# Altium PCB PCB.PcbDoc
Units mil, origin at the board's own origin, x right, y up, seen from the top; angles counter-clockwise.
Board outline 860 x 1035 mil, 4 copper layers (Top Layer, Layer 1, Layer 2, Bottom Layer), stack 23.756 mil thick; 20 components, 23 nets, 86 pads, 34 vias.
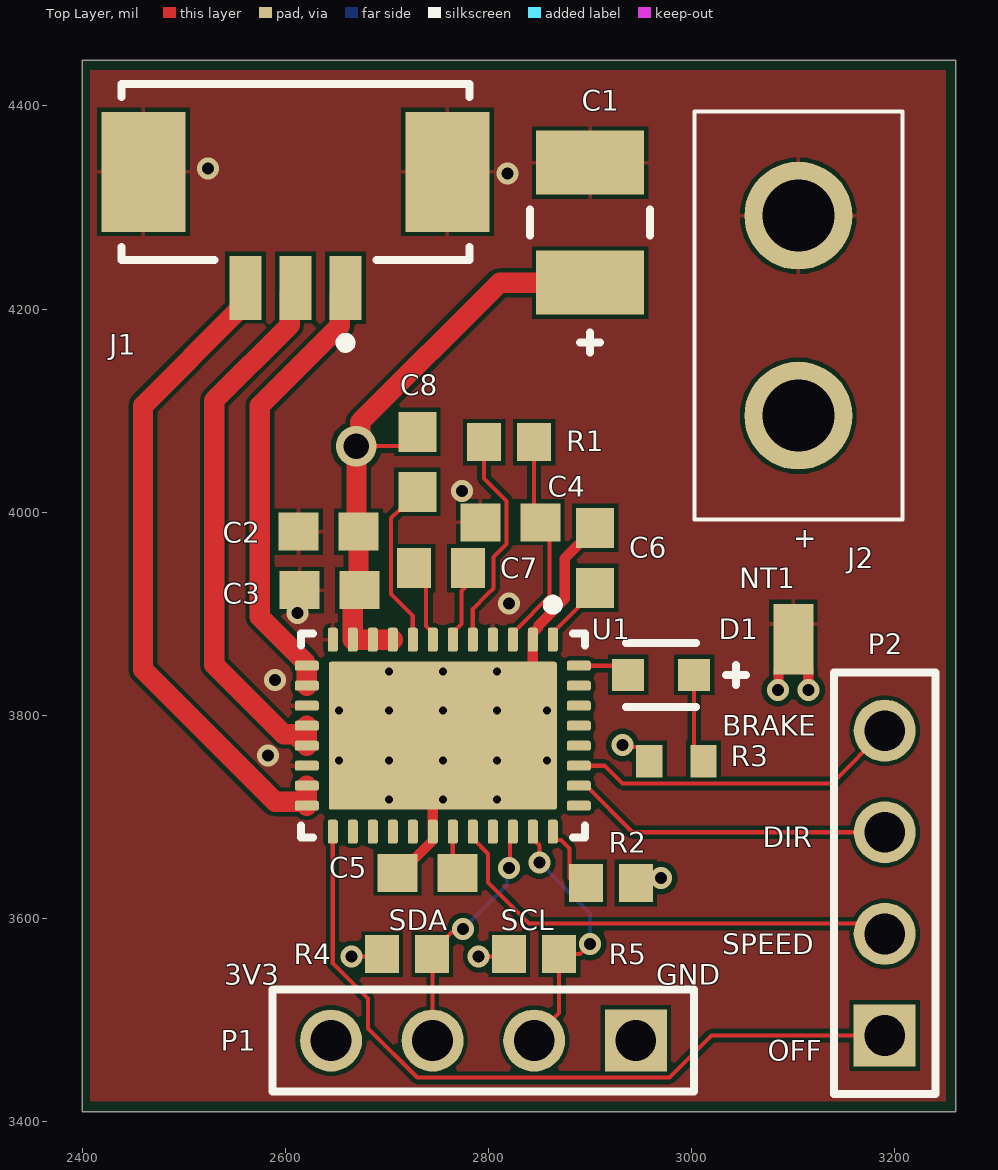
[diagram p0: Top Layer view]
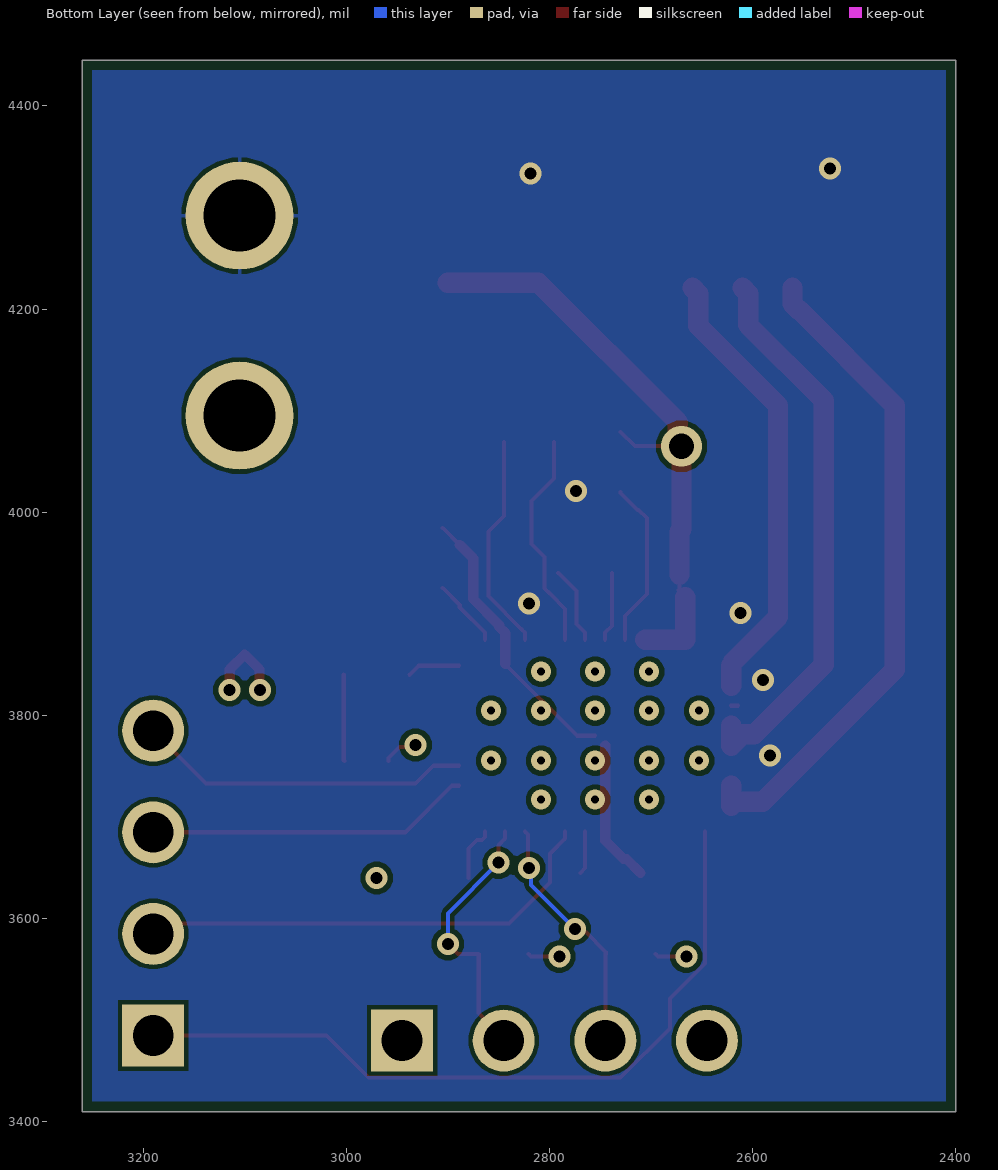
[diagram p1: Bottom Layer view, seen from below]
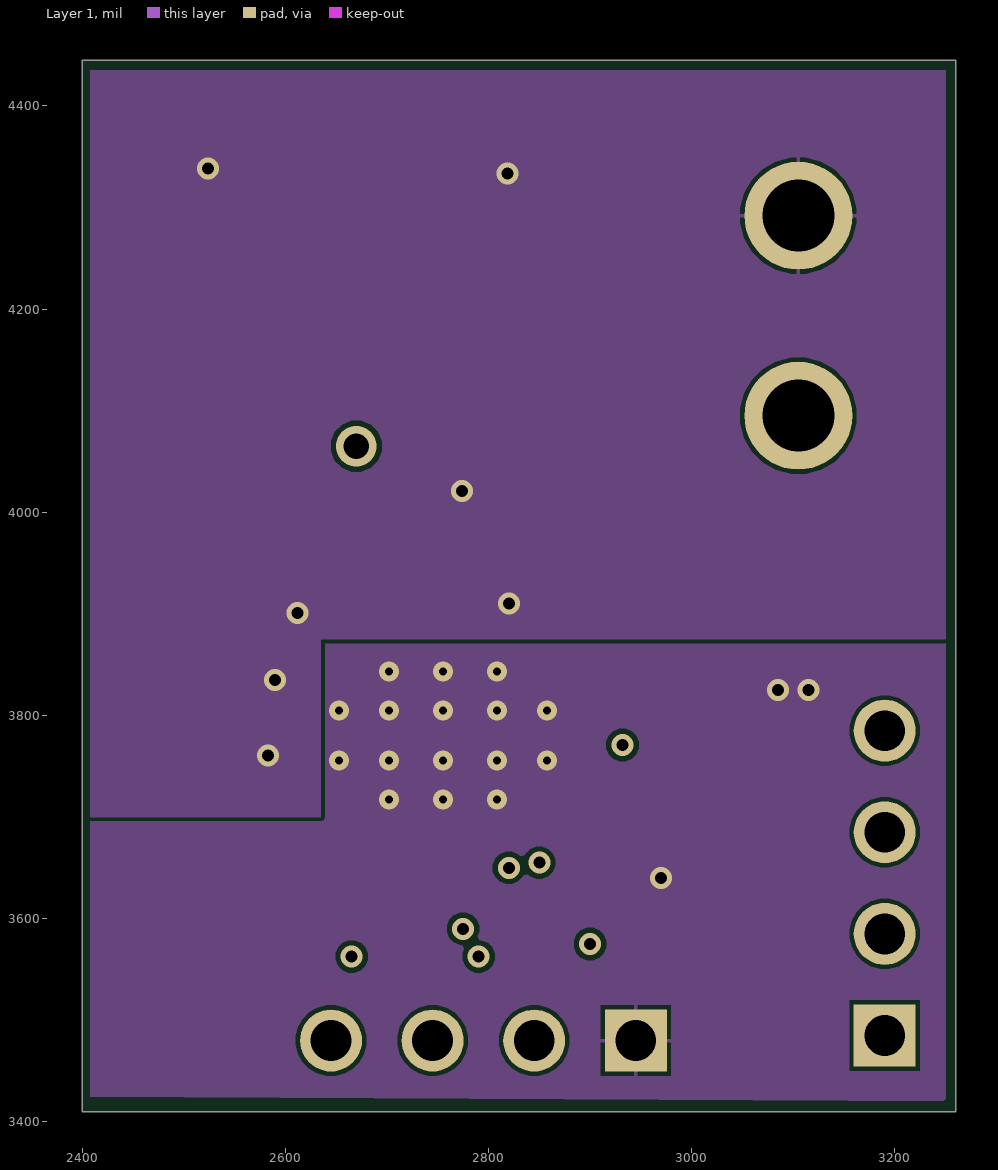
[diagram p2: Layer 1]
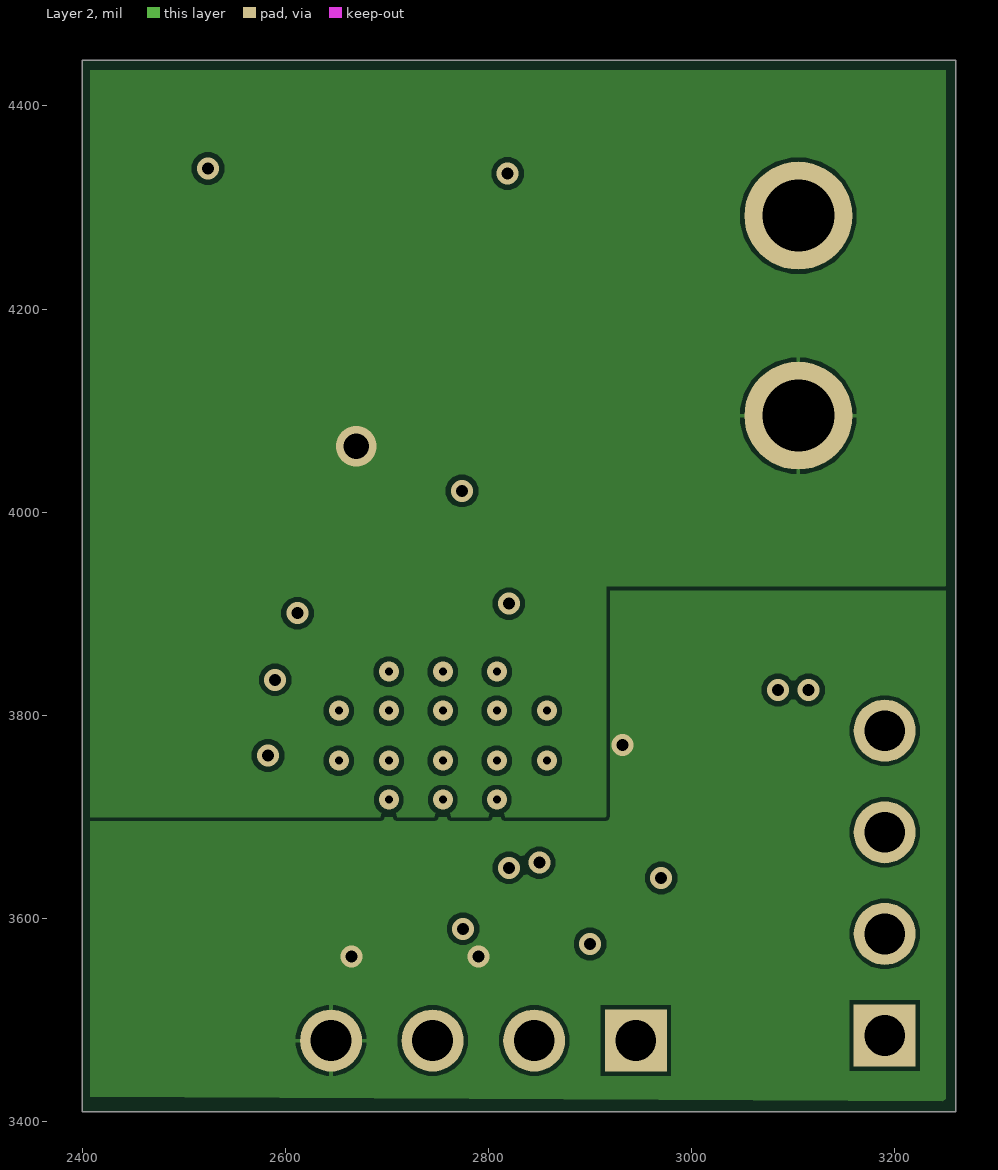
[diagram p3: Layer 2]
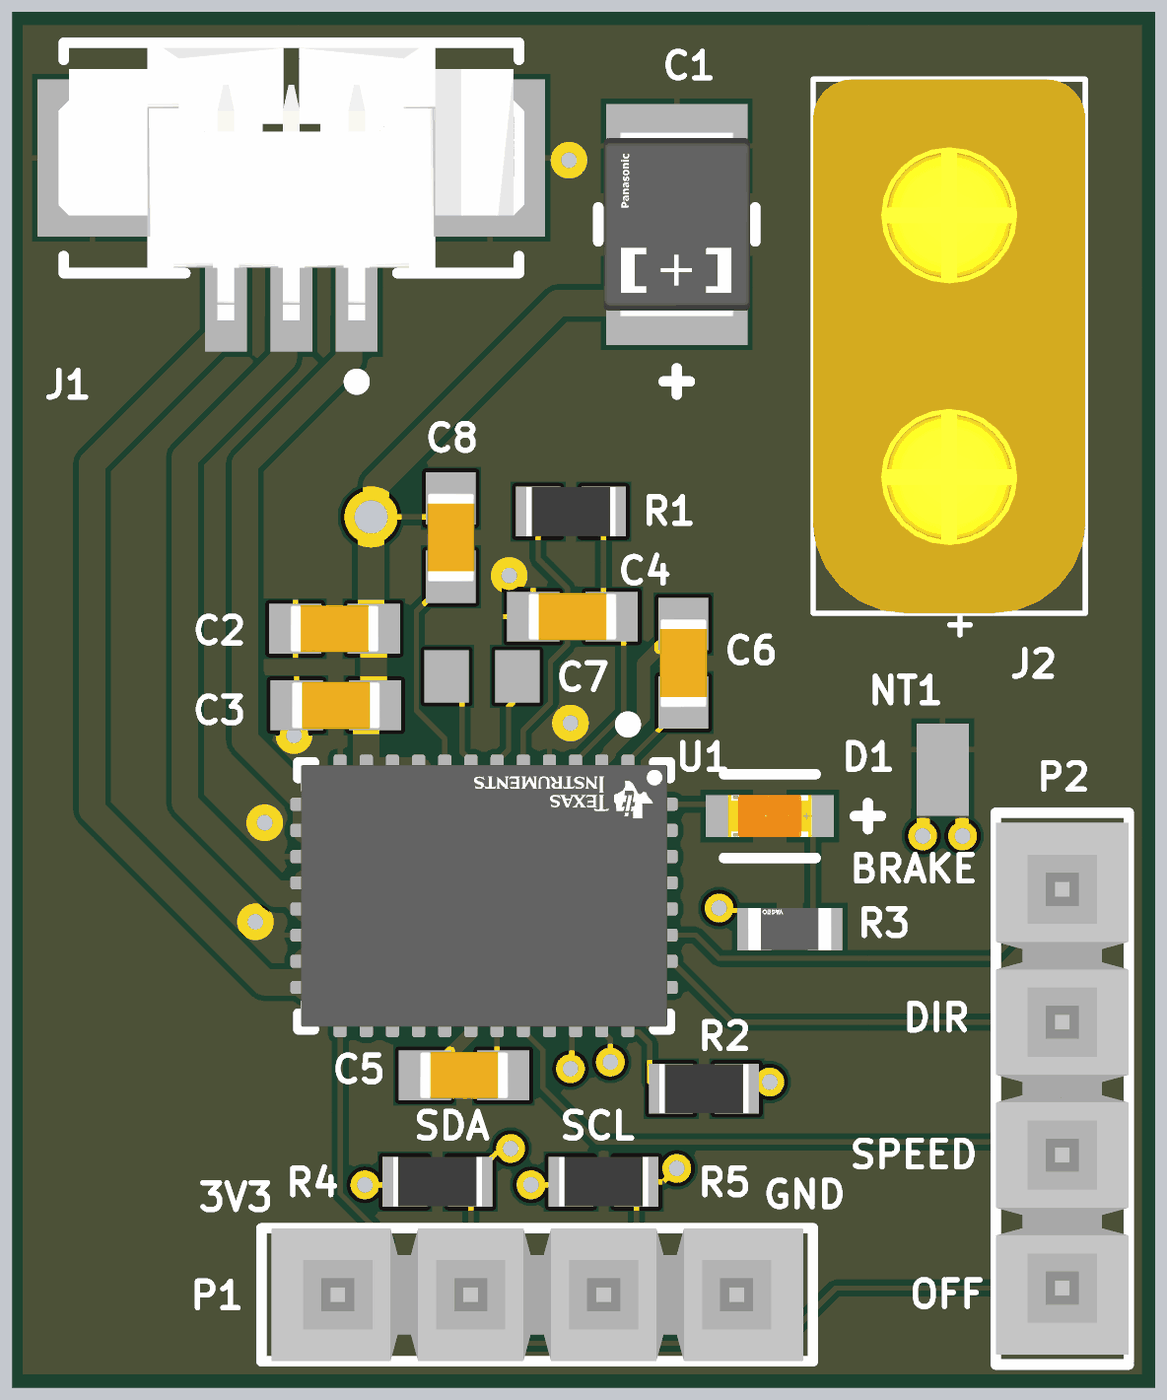
[diagram p4: 3D render of the assembled board from above, using the file's embedded part models]

## Layer stack, top to bottom
Top Solder: solder mask 0.4, Solder Resist, Dk 3.5
Top Layer: signal copper 1.4
Dielectric 2: prepreg 2.8, PP-006, Dk 4.1
Layer 1: signal copper 1.378
Dielectric 1: dielectric 12.6, FR-4, Dk 4.8
Layer 2: signal copper 1.378
Dielectric 3: prepreg 2.8, PP-006, Dk 4.1
Bottom Layer: signal copper 1.4
Bottom Solder: solder mask 0.4, Solder Resist, Dk 3.5

## Board outline
2400,3410 3260,3410 3260,4445 2400,4445

## Design rules (kind name [scope] priority, off if disabled: settings)
BoardOutlineClearance [All] p1: gap=7.87 ignorepadtopadclearanceinfootprint=FALSE
Clearance [All] p1: gap=4 ignorepadtopadclearanceinfootprint=FALSE except(5: Arc-Via Track-Via SMDPad-Via THPad-Via Via-Via Via-Fill Via-Poly Via-Region Via-Text; 9.84: Arc-Hole Track-Hole SMDPad-Hole THPad-Hole Via-Hole Fill-Hole Poly-Hole Region-Hole Text-Hole)
ComponentClearance [All] p1: gap=4 collisioncheckmode=3 verticalgap=4 showdistances=TRUE
DiffPairsRouting [All] p1: maxlimit=4 minlimit=4 mostfreqgap=4 toplayer_minwidth=4 toplayer_maxwidth=71497.94 toplayer_prefwidth=4 midlayer1_minwidth=4 midlayer1_maxwidth=71497.94 midlayer1_prefwidth=4 midlayer2_minwidth=4 midlayer2_maxwidth=71497.94 midlayer2_prefwidth=4 bottomlayer_minwidth=4 bottomlayer_maxwidth=71497.94 bottomlayer_prefwidth=4 maxuncoupledlength=500
Height [All] p1: minheight=0 maxheight=71497.94 prefheight=500
HoleSize [All] p1: absolutevalues=TRUE maxlimit=248.03 minlimit=7.87 maxpercent=80.000 minpercent=20.000
HoleToHoleClearance [All] p1: gap=9.84 allowstackedmicrovias=FALSE
MinimumAnnularRing [All] p1: minimumring=3
MinimumSolderMaskSliver [All] p1: minsoldermaskwidth=0
PlaneClearance [All] p1: clearance=4
PlaneConnect PlaneConnectPowerPads [InPadClass('PowerPads')] p1: planeconnectstyle=Direct reliefexpansion=20 reliefentries=4 reliefconductorwidth=10 reliefairgap=10
PlaneConnect [All] p2: pad.planeconnectstyle=Relief pad.reliefexpansion=11.81 pad.reliefentries=4 pad.reliefconductorwidth=4 pad.reliefairgap=4 via.planeconnectstyle=Direct via.reliefexpansion=11.81 via.reliefentries=4 via.reliefconductorwidth=5 via.reliefairgap=5
PolygonConnect PolygonConnectPowerPads [All vs (InPadClass('PowerPads'))] p1: connectstyle=Direct reliefconductorwidth=10 reliefentries=4 polygonreliefangle="90 Angle" airgapwidth=10
PolygonConnect [All] p2: thpad.connectstyle=Relief thpad.reliefconductorwidth=4 thpad.reliefentries=4 thpad.polygonreliefangle="90 Angle" thpad.airgapwidth=4 smdpad.connectstyle=Relief smdpad.reliefconductorwidth=4 smdpad.reliefentries=4 smdpad.polygonreliefangle="90 Angle" smdpad.airgapwidth=4 via.connectstyle=Direct via.reliefconductorwidth=5 via.reliefentries=4 via.polygonreliefangle="90 Angle" via.airgapwidth=5
RoutingVias [All] p1: holewidth=7.87 width=17.72 viastyle="Through Hole" minholewidth=7.87 minwidth=17.72 maxholewidth=248.03 maxwidth=257.87
SilkToSilkClearance [All] p1: silktosilkclearance=0
SilkToSolderMaskClearance [IsPad] p1: minsilkscreentomaskgap=4 clearancetoexposedcopper=TRUE
SolderMaskExpansion [All] p1: expansion=2.95 istentingtop=FALSE
SupplyNets "Schematic Supply Nets_3" [InNet('+3V3')] p1: voltage=0.000
SupplyNets "Schematic Supply Nets_2" [InNet('PGND')] p2: voltage=0.000
SupplyNets "Schematic Supply Nets_1" [InNet('GND')] p3: voltage=0.000
SupplyNets "Schematic Supply Nets" [InNet('+VBAT')] p4: voltage=0.000
Width [All] p1: maxlimit=71497.94 minlimit=4 preferedwidth=4
20 further rules are at their usual default settings.

## Classes and differential pairs
component class MotorDriver: C1 C2 C3 C4 C5 C6 C7 C8 D1 J1 R1 R2 R3 U1
component class Connectors: J2 NT1 P1 P2 R4 R5

## Components (designator, comment, footprint, x,y, rotation, side; value= is the part's Value field where it differs from the comment)
C1 "47uF" FP-POSCAP-B2-MFG 2900,4285 r270 top
C2 "10uF" CAPC1608X09N 2642.51,3980.95 r0 top value=10µF
C3 "100nF" CAPC1608X09N 2643.56,3923.3 r0 top
C4 "22uF" CAPC1608X09N 2821.56,3989.96 r0 top value=22µF
C5 "1uF" CAPC1608X09N 2740,3645 r0 top value=1µF
C6 "1uF" CAPC1608X09N 2905,3955 r270 top value=1µF
C7 "47nF" CAPC1608X92X38NL15T08 2753.43,3945 r180 top
C8 "1uF" CAPC1608X09N 2730,4049.53 r270 top value=1µF
D1 "RED LED" FP-APTD1608SEC-J3-MFG 2970,3840 r0 top
J1 "53261-0371" FP-53261-0371-MFG 2610,4335 r180 top
J2 "XT30PB" XT30PB 3105,4291.85 r0 top
NT1 "Net-Tie-SMD" NetTieSMD-FP 3100,3875 r270 top net-tie
P1 "MTSW-104-07-F-S-170" SMTC-MTSW-104-07-X-S-170 2945,3480 r180 top
P2 "MTSW-104-07-F-S-170" SMTC-MTSW-104-07-X-S-170 3190,3485 r90 top
R1 "22" RESC1608X06N 2820.28,4069.04 r0 top value=22.6R
R2 "10k" RESC1608X06N 2920.39,3635 r180 top value=10.0K
R3 "RES 1.5k" FP-AC0603-IPC_C 2985,3755 r180 top value=1.5kΩ
R4 "10k" RESC1608X06N 2720,3565 r180 top value=10.0K
R5 "10k" RESC1608X06N 2845,3565 r180 top value=10.0K
U1 "MCT8316A1VRGFR" FP-RGF0040E-MFG 2755,3780 r270 top

## Footprints (in the part's own frame and the unit in brackets; to place one, negate y for a bottom-side part, rotate by r counter-clockwise, add the part's x,y. Pads: shape width x height; smd on the part's side, far side on the other; paste and mask are expansions set on the pad)
CAPC1608X09N [mm] "Chip Capacitor, 2-Leads, Body 1.60x0.80mm, IPC Medium Density"
  rect 1x0.95 smd: 1(-0.75,0) 2(0.75,0)
  body extent -0.85,-0.45 0.85,0.45, height 0.9
CAPC1608X92X38NL15T08 [mm] "Chip Capacitor, 2-Leads, Body 1.60x0.80mm, IPC Medium Density"
  rect 0.85x1 smd: 1(-0.675,0) 2(0.675,0)
  body extent -0.87,-0.48 0.87,0.47, height 0.92
FP-53261-0371-MFG [mm]
  rect 0.8x1.6 smd paste+0 mask+0: 1(-1.25,2.9) 2(0,2.9) 3(1.25,2.9)
  rect 2.1x3 smd paste+0 mask+0: 4(-3.8,0) 5(3.8,0)
  silkscreen extent -4.35,-2.2 4.35,4.4, body extent -4.95,-2.3 4.95,3.8, height 0.25
FP-AC0603-IPC_C [mil]
  rect 25.93x31.97 smd paste+0 mask+0: 1(-26.64,0) 2(26.64,0)
  body extent -44,-22 44,22, height 10
FP-APTD1608SEC-J3-MFG [mm]
  rect 0.8x0.8 smd paste+0 mask+0: 1(-0.825,0) 2(0.825,0)
  silkscreen extent -0.87,-0.8 2.12,0.8, body extent -1.33,-0.58 1.33,0.58, height 0.25
FP-POSCAP-B2-MFG [mm]
  rect 1.6x2.7 smd paste+0 mask+0: 1(-1.5,0) 2(1.5,0)
  silkscreen extent -0.33,-1.5 3.25,1.5, body extent -2.4,-1.6 2.4,1.6, height 0.25
FP-RGF0040E-MFG [mm]
  rrect40% 0.6x0.25 smd paste+0 mask+0: 1(-2.4,2.75) 2(-2.4,2.25) 3(-2.4,1.75) 4(-2.4,1.25) 5(-2.4,0.75) 6(-2.4,0.25) 7(-2.4,-0.25) 8(-2.4,-0.75) 9(-2.4,-1.25) 10(-2.4,-1.75) 11(-2.4,-2.25) 12(-2.4,-2.75) 21(2.4,-2.75) 22(2.4,-2.25) 23(2.4,-1.75) 24(2.4,-1.25) 25(2.4,-0.75) 26(2.4,-0.25) 27(2.4,0.25) 28(2.4,0.75) 29(2.4,1.25) 30(2.4,1.75) 31(2.4,2.25) 32(2.4,2.75)
  rrect40% 0.25x0.6 smd paste+0 mask+0: 13(-1.75,-3.4) 14(-1.25,-3.4) 15(-0.75,-3.4) 16(-0.25,-3.4) 17(0.25,-3.4) 18(0.75,-3.4) 19(1.25,-3.4) 20(1.75,-3.4) 33(1.75,3.4) 34(1.25,3.4) 35(0.75,3.4) 36(0.25,3.4) 37(-0.25,3.4) 38(-0.75,3.4) 39(-1.25,3.4) 40(-1.75,3.4)
  rrect3% 3.7x5.7 smd paste-1000 mask+0: 41(0,0)
  silkscreen extent -3.4,-3.55 2.55,3.55, body extent -2.8,-3.8 2.8,3.8, height 0.25
NetTieSMD-FP [mm]
  rect 1x1 smd mask-10: 1(-0.381,0) 2(0.381,0)
RESC1608X06N [mm] "Chip Resistor, 2-Leads, Body 1.55x0.79mm, IPC Medium Density"
  rect 0.85x0.95 smd: 1(-0.625,0) 2(0.625,0)
  body extent -0.85,-0.47 0.85,0.47, height 0.61
SMTC-MTSW-104-07-X-S-170 [mm] "Assembly .025\" [.64] SQ Post Terminal Strip, 1x4 Pins, Vertical, 2.54mm Pitch, Male"
  rect 1.55x1.55 hole 1.02: 1(0,0)
  round 1.55 hole 1.02: 2(2.54,0) 3(5.08,0) 4(7.62,0)
  silkscreen extent -1.46,-1.27 9.08,1.27, body extent -1.27,-1.27 8.89,1.27, height 6.86
XT30PB [mm]
  round 2.7 hole 1.8: 1(0,0) 2(0,-5)
  silkscreen extent -2.6,-7.6 2.6,2.6, body extent -2.6,-7.6 2.6,2.6, height 10.66

## Part data
C1: library part CMP-05428-000207-1, "Molded Tantalum Polymer Capacitor 47uF 20% 16V life 2000Hours SMD 1411", RoHS Compliant=Yes
C2: library part CMP-003-000087-1, "CAP CER 10uF 16V X5R Symbols/Capacitor-Generic.SchLib", Manufacturer 1=Murata, Manufacturer Part Number 1=GRM188R61C106MA73#, Part Number=CAP-0603-000085, Temperature Characteristic=X5R, Tolerance=20%, Voltage=16V, Symbol Path=Symbols/Capacitor-Generic.SchLib
C3: library part CMP-003-000120-1, "CAP CER 0.1uF 100V X7R Symbols/Capacitor-Generic.SchLib", Manufacturer 1=Murata, Manufacturer Part Number 1=GRM188R72A104MA35#, Part Number=CAP-0603-000118, Temperature Characteristic=X7R, Tolerance=20%, Voltage=100V, Symbol Path=Symbols/Capacitor-Generic.SchLib
C4: library part CMP-003-000089-1, "CAP CER 22uF 16V X5R Symbols/Capacitor-Generic.SchLib", Manufacturer 1=Murata, Manufacturer Part Number 1=GRM188R61C226ME01#, Part Number=CAP-0603-000087, Temperature Characteristic=X5R, Tolerance=20%, Voltage=16V, Symbol Path=Symbols/Capacitor-Generic.SchLib
C5 C6 C8: library part CMP-003-000086-1, "CAP CER 1uF 16V X5R Symbols/Capacitor-Generic.SchLib", Manufacturer 1=Murata, Manufacturer Part Number 1=GRM188R61C105MA12#, Part Number=CAP-0603-000084, Temperature Characteristic=X5R, Tolerance=20%, Voltage=16V, Symbol Path=Symbols/Capacitor-Generic.SchLib
C7: library part CMP-2006-01132-1, Manufacturer=Vitramon, Part Number=VJ0603Y473KXAAC
D1: library part CMP-44529-000051-1, "LED RED CLEAR CHIP SMD", Case Code (Imperial)=0603, Case Code (Metric)=1608, Color=Red, Forward Current=20mA, Forward Voltage=2.2V, Lens Color=Colorless, Max Operating Temperature=85°C, Min Operating Temperature=-40°C, Package Quantity=2000, Case/Package=0603, Dominant Wavelength=625nm, Height=0.95mm, Illumination Color=Red, Lead Free="Lead Free", Length=1.6mm, Lens Style=Clear, Lens Transparency=Clear, Luminous Intensity=900mcd, Mount="Surface Mount", Number of LEDs=1, Number of Pins=4, Packaging="Tape and Reel", Test Current=20mA, Viewing Angle=60°, Width=0.8mm
J1: library part CMP-04776-000071-1, "CONN HEADER SMD R/A 3POS 1.25MM", Ambient Temperature Range High=+105°C, Ambient Temperature Range Low=-40°C, Current Rating=1A, Manufacturer=Molex, Package=0, Temperature="-40°C to +105°C", Voltage Rating=125V, Automotive=No, Category=Conn, ComponentLink2Description=Datasheet, ComponentLink2URL=https://www.molex.com/webdocs/datasheets/pdf/en-us/0532610371_PCB_HEADERS.pdf, Conn Gender=Male, Conn Orientation="Right Angle", Contact Material=Tin,Nickel, Device Class L1=Connectors, Device Class L2="Headers and Wire Housings", Device Class L3=unset, Digikey Description="CONN HEADER SMD R/A 3POS 1.25MM", Footprint Url=https://www.molex.com/pdm_docs/sd/532610371_sd.pdf, Height=3.6mm, Lead Free=Yes, Manufacturer Part Number=53261-0371, Mouser Description="1.25mm (.049\") Pitch PicoBlade Header, Surface Mount, Right Angle, Lead-free, 3 Circuits", Number of Contacts=3, Number of Rows=1, Octopart=https://octopart.com/53261-0371-molex-655314, Pitch=1.25mm, RoHS=TRUE, Temperature Range High=+105°C, Temperature Range Low=-40°C
J2: "Connector", Manufacturer_Name=Amass, Datasheet Link=https://www.tme.eu/Document/4acc913878197f8c2e30d4b8cdc47230/XT30UPB%20SPEC.pdf, Height=10.7mm, Manufacturer_Part_Number=XT30PB
P1 P2: library part CMP-1024-00106-1, "Modified .025\" SQ Post Header, Through-hole, Vertical, -55 to 125 degC, 2.54 mm Pitch, 4-Pin, Male, RoHS", Manufacturer=Samtec, Temperature Range="-55 to 125 degC", ComponentLink1Description="Manufacturer URL", ComponentLink1URL=http://www.samtec.com, ComponentLink2Description=Datasheet, ComponentLink2URL=http://www.samtec.com/documents/webfiles/pdf/MTSW.PDF, ComponentLink3Description="Package Specification", ComponentLink3URL=http://www.samtec.com/documents/webfiles/cpdf/MTSW-XXX-XX-X-X-XXXX-XX-XXX-MKT1.pdf, DatasheetVersion=F-214, Mounting Technology=Through-hole, Orientation=Vertical, PackageDescription="Assembly .025\" [.64] SQ Post Terminal Strip", PackageReference=MTSW-104-07-X-S-170, PackageVersion="BI, 2/1987", PartNumber=MTSW-104-07-F-S-170, Pitch="2.54 mm", RoHS=True
R1: library part CMP-007-000132-1, "RES 22.6 OHM 1% 1/10W 0603", Manufacturer 1=Yageo, Manufacturer 2="Stackpole Electronics", Manufacturer 3="Vishay Dale", Manufacturer Part Number 1=RC0603FR-0722R6L, Manufacturer Part Number 2=RMCF0603FT22R6, Manufacturer Part Number 3=CRCW060322R6FKED, Part Number=RES-0603-22R6-001, Tolerance=0.01%, Symbol Path=Symbols/Resistor_Generic.SchLib
R2 R4 R5: library part CMP-007-000386-1, "RES 10.0K OHM 1% 1/10W 0603", Manufacturer 1=Yageo, Manufacturer 2="Stackpole Electronics", Manufacturer 3="Vishay Dale", Manufacturer Part Number 1=RC0603FR-0710KL, Manufacturer Part Number 2=RMCF0603FT10K0, Manufacturer Part Number 3=CRCW060310K0FKED, Part Number=RES-0603-10K0-001, Tolerance=0.01%, Symbol Path=Symbols/Resistor_Generic.SchLib
R3: library part CMP-00007-2, "Res Thick Film 0603 1.5K Ohm 5% 0.1W(1/10W) ±100ppm/C Pad SMD T/R Automotive AEC-Q200", Case Code (Imperial)=0603, Case Code (Metric)=1608, Max Operating Temperature=155°C, Max Power Dissipation=100mW, Min Operating Temperature=-55°C, Temperature Coefficient=100ppm/°C, Tolerance=5%, Voltage Rating=75V, Case/Package=0603, China RoHS=Non-Compliant, Composition="Thick Film", Features="Automotive AEC-Q200, Moisture Resistant", Height=450µm, Length=1.6002mm, Lifecycle Status=Production, Mounting Technology="Surface Mount", Number of Terminals=2, Number of Terminations=2, Packaging="Tape & Reel", Power Dissipation=100mW, Power Rating=100mW, REACH SVHC=Yes, RoHS=Compliant, Schedule B="8533210045, 8533210045", Termination=SMD/SMT, Width=800µm, Working Voltage=75V
U1: library part CMP-00370-125245362-1, "MCT8316A1VRGFR 40-V max, 8-A peak, sensorless trapezoidal control 3-phase BLDC motor driver 40-VQFN -40 to 125", Ambient Temperature Range High=125°C, Case/Package=VQFN, Manufacturer Lifecycle Status=ACTIVE, Max Junction Temperature (Tj)=150°C, Max Supply Voltage=35V, Min Operating Temperature=-40°C, Min Supply Voltage=4.5V, Output Current=8A, Height=1mm, Length=7mm, Lifecycle Status=Production, Max Operating Temperature=125°C, NexarPartId=125245362, Number of Outputs=3, Number of Pins=40, Thickness=880µm, Width=5mm

## Via types
v1: diameter 21.65, hole 11.81, Top Layer to Bottom Layer, 17 vias
v2: diameter 19.68, hole 7.87, Top Layer to Bottom Layer, 16 vias
v3: diameter 40, hole 25, Top Layer to Bottom Layer, 1 vias

## Nets (pads, with @x,y where several pads share a name; then routed paths per layer and width w, separated by ;. In a path a pad name is that pad's centre, name@x,y a point inside that pad or via, vN(x,y) a via of type N, cw(c..) or ccw(c..) an arc to the next point about the centre after c; other vN are vias at no path point)
+3V3: P1.4 R3.2 R4.2 R5.2 | length 96.9
  Top Layer w4: v1(2665.34,3562.62) 2693.02,3562.62 R4.2 ; v1(2790.34,3562.62) 2818.02,3562.62 R5.2 ; v1(2931.85,3770.83) 2933.69,3768.99 2947.39,3768.99 2958.36,3758.02 R3.2
+VBAT: C1.2 C2.2 C3.2 C8.1 J2.2 U1.9 U1.10 U1.11 | length 608.1
  Top Layer w4: C3.2@2666.42,3916.63 C3.2 2672.03,3924.36 C3.2@2672.03,3938.5 ; C2.2@2670,3982.98 C2.2 ; v3(2670,4065) 2715.94,4065 C8.1
  Top Layer w20: C3.2@2666.42,3916.63 U1.11 U1.9 ; C2.2@2670,3982.98 v3(2670,4065) 2673.83,4068.83 2673.83,4088.83 2810.94,4225.94 C1.2 ; C3.2@2672.03,3938.5 C2.2
GND: C5.1 C6.1 NT1.2 P1.1 R2.1 U1.2 U1.26 U1.41 | length 500.7
  Top Layer w4: U1.41 2772.76,3780 U1.41@2843.58,3850.82 ; C6.1@2888.3,3967.83 C6.1
  Top Layer w10: C5.1 2724.17,3658.7 2726.97,3658.7 2745.16,3676.89 U1.41@2745.16,3770.16 ; U1.41@2843.58,3850.82 2843.58,3881.22 2849.35,3886.98 2849.35,3888.87 2875,3914.53 2875,3954.53 C6.1@2888.3,3967.83 ; v1(3085,3825) 3085.31,3825.31 3085.31,3845.31 NT1.2 3114.69,3845.31 3114.69,3825.31 v1(3115,3825)
  other v1: 2970,3640
  other v2: 2701.85,3717.01 2755,3717.01 2808.15,3717.01 2652.64,3755.39 2701.85,3755.39 2755,3755.39 2808.15,3755.39 2857.36,3755.39 2652.64,3804.61 2701.85,3804.61 2755,3804.61 2808.15,3804.61 2857.36,3804.61 2701.85,3842.99 2755,3842.99 2808.15,3842.99
NetC4_2: C4.2 R1.2 U1.3 | length 215.8
  Top Layer w4: U1.3 2823.9,3881.38 2826.82,3884.3 2826.91,3884.3 2860,3917.39 2860,3981.04 2844.88,3996.16 R1.2
NetC5_2: C5.2 U1.27 | length 42.5
  Top Layer w4: U1.27 2764.84,3649.68 C5.2
NetC6_2: C6.2 U1.1 | length 68.3
  Top Layer w4: U1.1 2863.27,3881.38 2888.3,3906.41 2888.3,3908.77 C6.2
NetC7_1: C7.1 U1.6 | length 76.9
  Top Layer w4: U1.6 2764.84,3881.38 2773.42,3889.96 2773.42,3922.31 2791.11,3940 C7.1@2791.57,3940
NetC7_2: C7.2 U1.7 | length 68.3
  Top Layer w4: C7.2@2738.43,3940 2738.43,3888.11 2745.16,3881.38 U1.7
NetC8_2: C8.2 U1.8 | length 165.7
  Top Layer w4: U1.8 2725.47,3898.05 2704.12,3919.4 2704.12,3994.12 2712.31,4002.31 2713.3,4002.31 2730,4019.02 C8.2
NetD1_1: D1.1 U1.40 | length 52.3
  Top Layer w4: U1.40 2928.62,3848.9 D1.1
NetD1_2: D1.2 R3.1 | length 85.3
  Top Layer w4: R3.1@3001.64,3755 3002.48,3755.84 D1.2
NetJ1_1: J1.1 U1.13 U1.14 | length 443
  Top Layer w4: U1.13 U1.13@2621.14,3850.87
  Top Layer w20: U1.13@2619.33,3852.68 2575,3897.01 2575,4105 2653.46,4183.46 2653.46,4215.08 J1.1 ; U1.14 U1.13
NetJ1_2: J1.2 U1.16 U1.17 | length 547.9
  Top Layer w20: J1.2 2604.25,4215.08 2604.25,4184.25 2530,4110 2530,3850 2598.54,3781.46 2609.84,3781.46 U1.17 U1.16
NetJ1_3: J1.3 U1.19 U1.20 | length 678.4
  Top Layer w4: J1.3@2553.19,4205 2553.19,4213.23 J1.3 ; 2621.14,3716.14 U1.19
  Top Layer w20: J1.3 2560.79,4205.08 2555.04,4199.33 2554.33,4199.33 2460,4105 2460,3845 2590,3715 U1.20@2613.3,3715 ; U1.20 U1.19
NetP1_2: P1.2 R5.1 U1.31 | length 263.6
  Top Layer w4: U1.31 2843.58,3678.62 2850,3672.2 v1(2850,3655) ; P1.2 2845,3482.42 2869.61,3507.03 R5.1 2890,3565 v1(2900,3575)
  Bottom Layer w4: v1(2850,3655) 2900,3605 v1(2900,3575)
NetP1_3: P1.3 R4.1 U1.30 | length 242.8
  Top Layer w4: P1.3 2745,3564.61 R4.1 2744.61,3566.97 2764.26,3586.62 2771.62,3586.62 v1(2775,3590) ; v1(2820,3650) 2820.98,3650.98 2820.98,3682.59 U1.30
  Bottom Layer w4: v1(2775,3590) 2818.17,3633.17 2818.17,3648.17 v1(2820,3650)
NetP2_1: P2.1 U1.21 | length 753.8
  Top Layer w4: U1.21 2646.73,3556.02 2681.51,3521.24 2681.51,3491.85 2729.88,3443.49 2978,3443.49 3019.51,3485 P2.1
NetP2_2: P2.2 U1.28 | length 467.6
  Top Layer w4: U1.28 2784.53,3678.62 2799.31,3663.84 2799.31,3635.69 2840,3595 3180,3595 P2.2
NetP2_3: P2.3 U1.34 | length 320.1
  Top Layer w4: U1.34 2895.75,3730.79 2941.54,3685 P2.3
NetP2_4: P2.4 U1.35 | length 329.9
  Top Layer w4: U1.35 2914.32,3750.47 2931.78,3733.01 3138.01,3733.01 P2.4
NetR1_1: R1.1 U1.5 | length 217.5
  Top Layer w4: U1.5 2784.53,3904.74 2799.1,3919.31 2799.22,3919.31 2805,3925.1 2805,3956.06 2817.71,3968.77 2817.71,4011.14 2795.67,4033.19 R1.1
NetR2_2: R2.2 U1.32 | length 55.3
  Top Layer w4: U1.32 2863.27,3680.4 2866.19,3677.48 2871.3,3677.48 2879.61,3669.17 R2.2@2879.61,3640
PGND: C1.1 C2.1 C3.1 C4.1 J1.4 J1.5 J2.1 NT1.1 U1.4 U1.12 U1.15 U1.18 | length 6.9
  Top Layer w4: U1.15@2614.25,3809.53 U1.15
  other v1: 2583,3760.47 2590,3835 2612.03,3900.6 2820,3910 2773.92,4020.96 2818.89,4333.3 2523.89,4338.3
pads on no net: U1.22 U1.23 U1.24 U1.25 U1.29 U1.33 U1.36 U1.37 U1.38 U1.39

## Polygon pours and split planes (outlines as drawn)
+3V3 on Layer 2 "+3V3_L03_P002" (solid, pour order 2): 3249.76,3927.26 2915.72,3927.26 2915.72,3700.72 2915,3700 2345,3700 2345,3420 2350,3425 3250,3420 3250,3927.02
+VBAT on Layer 2 "+VBAT_L03_P001" (solid, pour order 1): 2915,3700 2345,3700 2345,4435 3250,4435 3250,3927.5 3249.76,3927.26 2915.72,3927.26 2915.72,3700.72
GND on Layer 1 "GND_L02_P004" (solid, pour order 4): 3250,3875 2635,3875 2635,3700 2345,3700 2345,3420 2350,3425 3250,3420
PGND on Layer 1 "PGND_L02_P003" (solid, pour order 3): 2635,3700 2345,3700 2345,4435 3250,4435 3250,3875 2635,3875
PGND on Top Layer "PGND_L01_P000" (solid, pour order 0): 2345,3420 3250,3420 3250,4435 2345,4435
PGND on Bottom Layer "PGND_L04_P005" (solid, pour order 5): 2410,3420 3250,3420 3250,4435 2410,4435

## Silkscreen, mask and mechanical layers (free items; w line width, h text height)
Top Overlay:
  text "+" at 3100,3965 h20
  text "BRAKE" at 3030,3780 h20
  text "DIR" at 3070,3670 h20
  text "SDA" at 2701.94,3588.7 h20
  text "SCL" at 2811.94,3588.7 h20
  text "SPEED" at 3030,3565 h20
  text "3V3" at 2540,3535 h20
  text "GND" at 2965,3535 h20
  text "OFF" at 3075,3460 h20